# Altium PCB TEBF0808ASCII.PcbDoc (part 1 of 10) (continued)
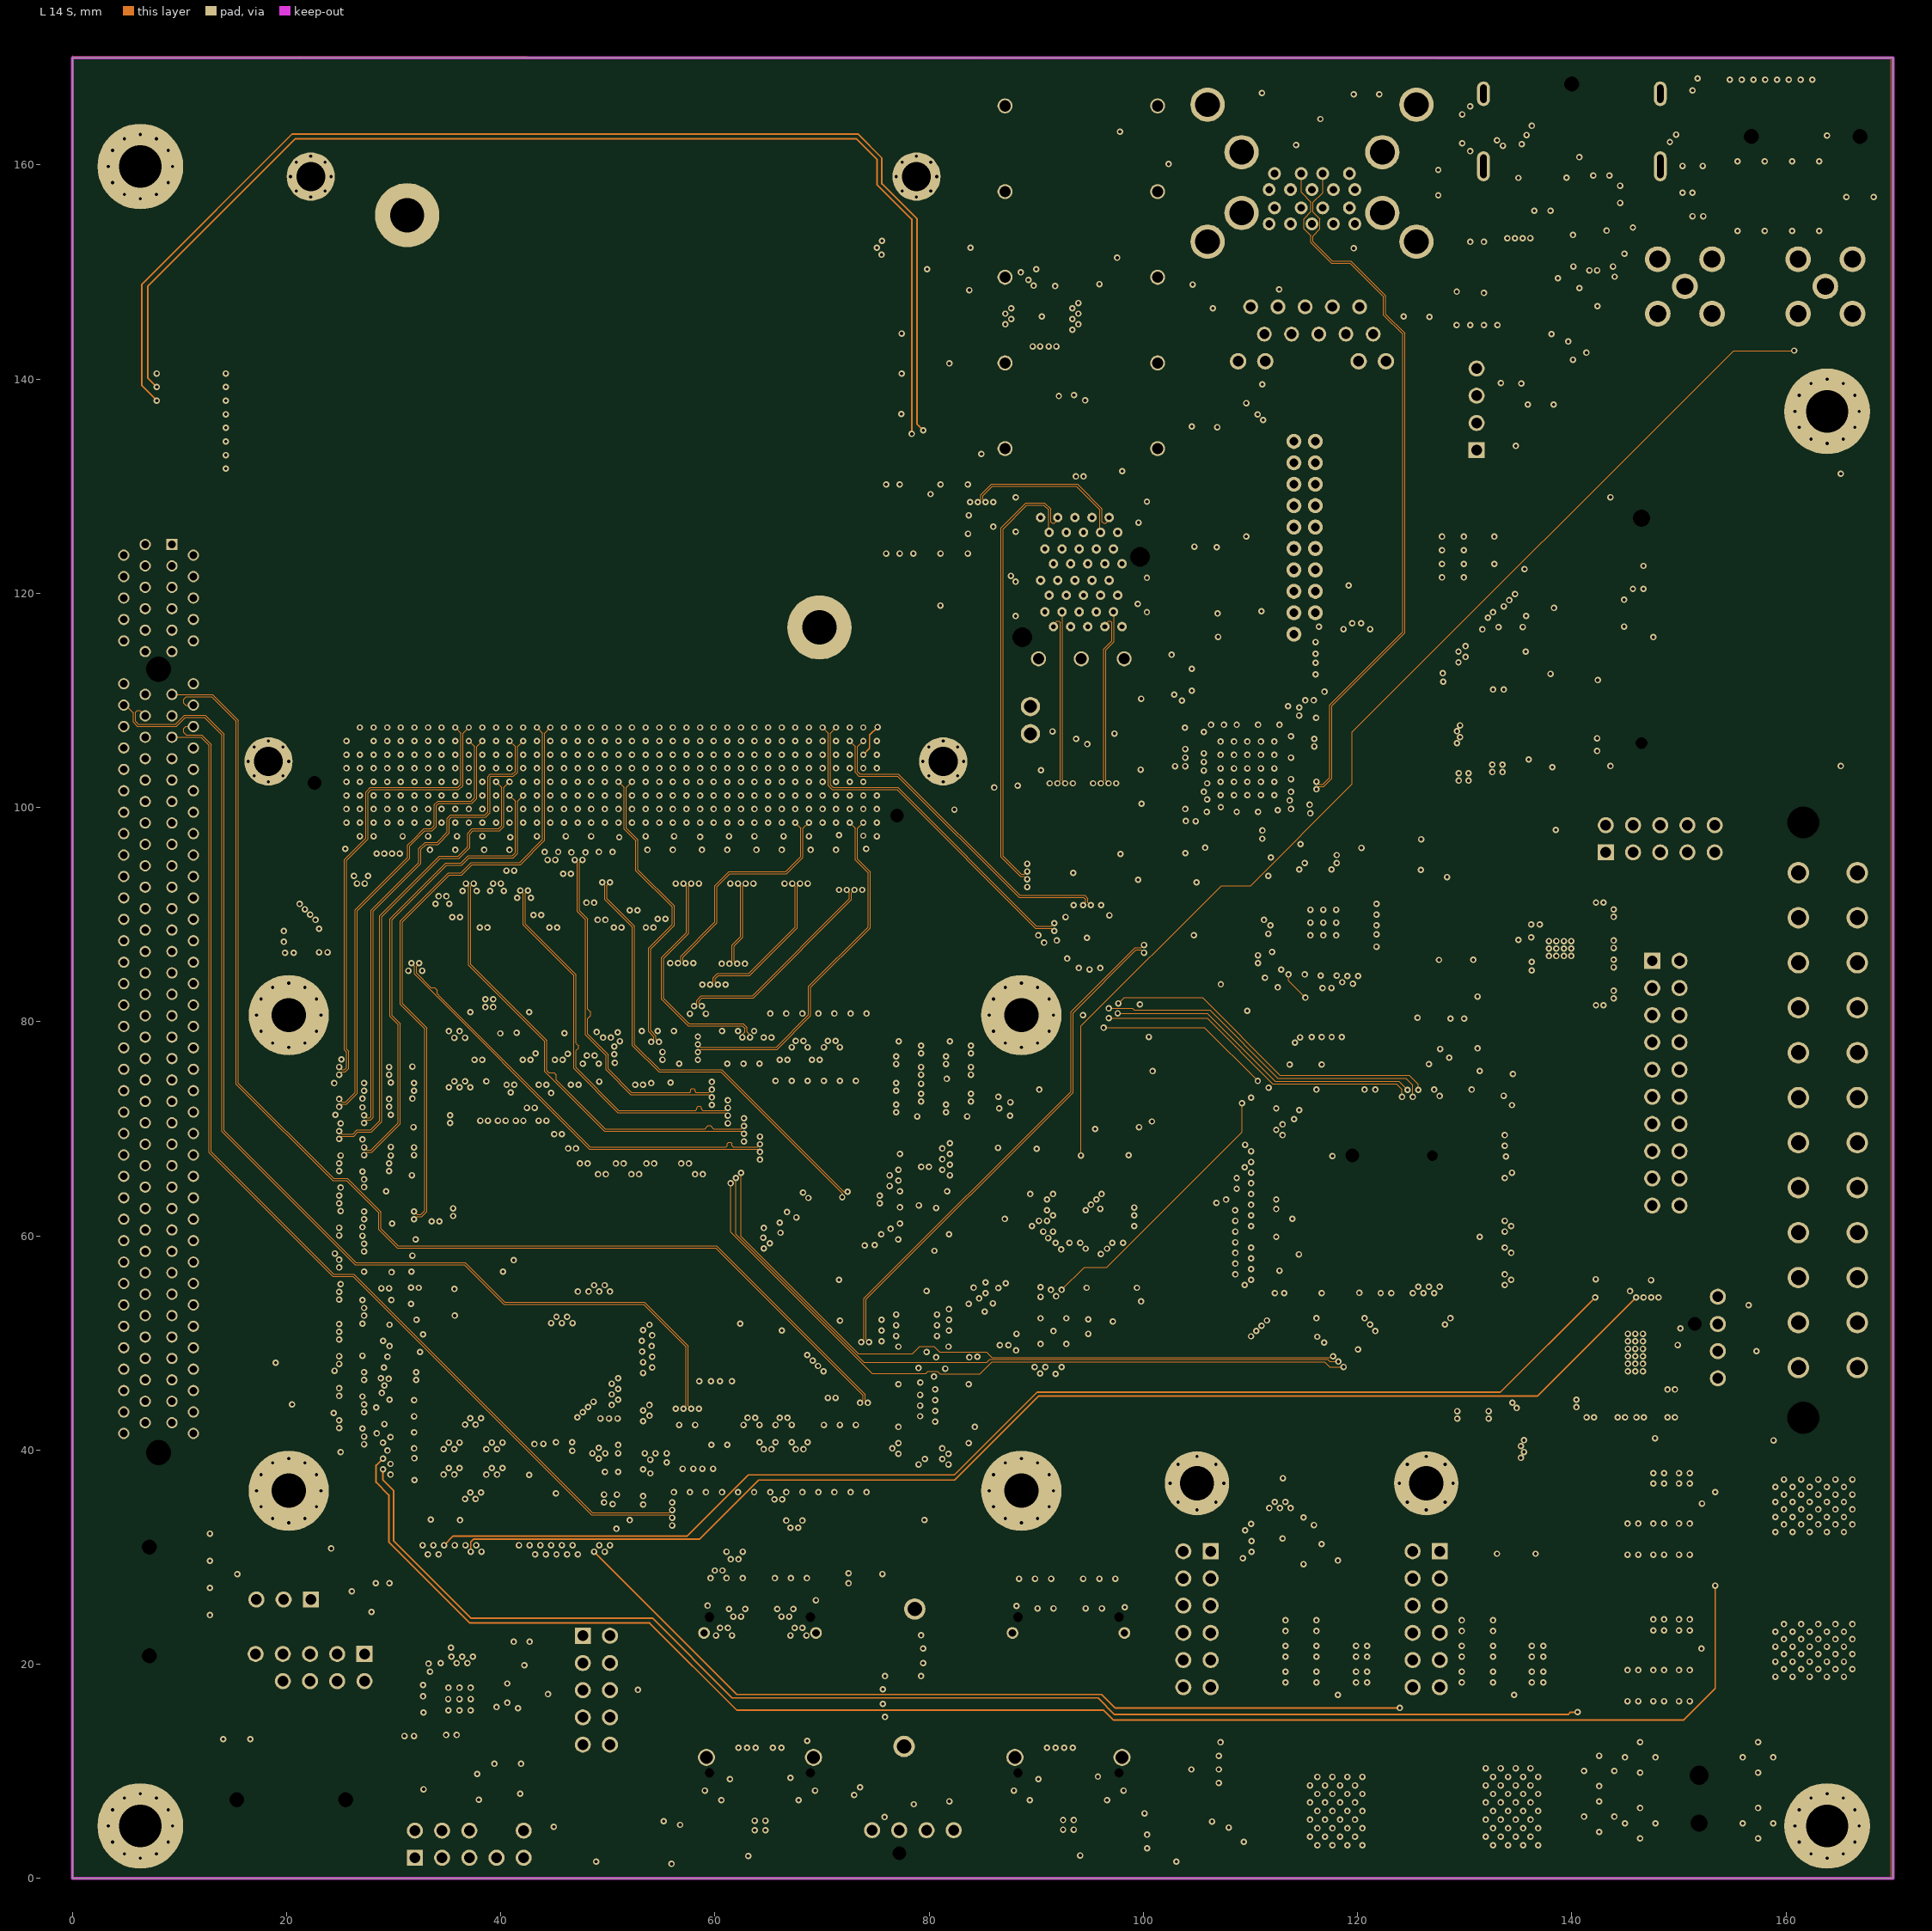
[diagram p11: L 14 S]

## Layer stack, top to bottom
Top Solder: solder mask 0.035, Solder Resist, Dk 3.5
L 01: signal copper 0.018
Dielectric1: core 0.11, 2116, Dk 4.2
L 02 G: signal copper 0.018
Dielectric 3: prepreg 0.1, Dk 4.2
L 03 S: signal copper 0.018
Dielectric 4: core 0.11, 2116, Dk 4.2
L 04 G: signal copper 0.018
Dielectric 5: prepreg 0.1, Dk 4.2
L 05 S: signal copper 0.018
Dielectric 6: core 0.11, 2116, Dk 4.2
L 06 G: signal copper 0.018
Dielectric 12: prepreg 0.1, Dk 4.2
L 07 P: signal copper 0.018
Dielectric 13: core 0.063, 1080, Dk 4.2
L 08 P: signal copper 0.018
Dielectric 14: prepreg 0.1, Dk 4.2
L 09 P: signal copper 0.018
Dielectric 15: core 0.063, 1080, Dk 4.2
L 10 P: signal copper 0.018
Dielectric 7: prepreg 0.1, Dk 4.2
L 11 G: signal copper 0.018
Dielectric 8: core 0.11, 2116, Dk 4.2
L 12 S: signal copper 0.018
Dielectric 9: prepreg 0.1, Dk 4.2
L 13 G: signal copper 0.018
Dielectric 10: core 0.11, 2116, Dk 4.2
L 14 S: signal copper 0.018
Dielectric 11: prepreg 0.1, Dk 4.2
L 15 G: signal copper 0.018
Dielectric 2: core 0.11, 2116, Dk 4.2
L 16: signal copper 0.018
Bottom Solder: solder mask 0.035, Solder Resist, Dk 3.5

## Board outline
0,0 170,0 170,170 0,170

## Design rules (kind name [scope] priority, off if disabled: settings)
AssemblyTestPointUsage [All] p0: scope1count=1 scope1_0_kind=Board scope1_0_value=Board scope2count=1 scope2_0_kind=Board scope2_0_value=Board commentlength=0
AssemblyTestpoint [All] p0: scope1count=1 scope1_0_kind=Board scope1_0_value=Board scope2count=1 scope2_0_kind=Board scope2_0_value=Board commentlength=0
BoardOutlineClearance [All] p0: scope1count=1 scope1_0_kind=Board scope1_0_value=Board scope2count=1 scope2_0_kind=Board scope2_0_value=Board commentlength=0 gap=0.5
BoardOutlineClearance [All] p1: gap=0.5 ignorepadtopadclearanceinfootprint=FALSE
Clearance Clearance_USB3 [All] p0 off: scope1count=1 scope1_0_kind=Board scope1_0_value=Board scope2count=1 scope2_0_kind=Board scope2_0_value=Board commentlength=48 gap=0.1 // Protel DXP Scope 2 Expression Was: InPolygon
Clearance Clearance_Power [All] p0 off: scope1count=1 scope1_0_kind=Board scope1_0_value=Board scope2count=1 scope2_0_kind=Board scope2_0_value=Board commentlength=119 gap=0.1 // Protel DXP Scope 1 Expression Was: OnLayer('L 07 P') or OnLayer('L 08 P') or OnLayer('L 09 P') or OnLayer('L 10 P')
Clearance Clearance_NP [All] p0 off: scope1count=1 scope1_0_kind=Board scope1_0_value=Board scope2count=1 scope2_0_kind=Board scope2_0_value=Board commentlength=80 gap=0.1 // Protel DXP Scope 1 Expression Was: ispad and (Not PadIsPlated) and IsThruPin
Clearance [All] p0: scope1count=1 scope1_0_kind=Board scope1_0_value=Board scope2count=1 scope2_0_kind=Board scope2_0_value=Board commentlength=0 gap=0.1
Clearance Clearance_HS_VIA [All] p0: scope1count=1 scope1_0_kind=NetClass scope1_0_value=HS scope2count=1 scope2_0_kind=Board scope2_0_value=Board commentlength=0 gap=0.1
Clearance Clearance_HS_PADS_1 [All] p0 off: scope1count=1 scope1_0_kind=Board scope1_0_value=Board scope2count=1 scope2_0_kind=Board scope2_0_value=Board commentlength=115 gap=0.1 // Protel DXP Scope 2 Expression Was: IsThruPin and InNetClass('HS') and (InComponent('J7') or InComponent('J11'))
Clearance Clearance_HS_PADS_2 [All] p0 off: scope1count=1 scope1_0_kind=Board scope1_0_value=Board scope2count=1 scope2_0_kind=Board scope2_0_value=Board commentlength=138 gap=0.1 // Protel DXP Scope 2 Expression Was: IsThruPin  and InNetClass('HS') and (InComponent('J8') or InComponent('J18') or InComponent('J14'))
Clearance Clearance_NP [ispad and (Not PadIsPlated) and IsThruPin] p1: gap=0.1 ignorepadtopadclearanceinfootprint=FALSE except(0: Arc-Hole Track-Hole SMDPad-Hole THPad-Hole Via-Hole Fill-Hole Poly-Hole Region-Hole Text-Hole; 0.2: SMDPad-THPad THPad-Fill THPad-Region; 0.3: Arc-THPad Track-THPad THPad-Via THPad-Poly)
Clearance Clearance_HS_PADS_1 [All vs IsThruPin and InNetClass('HS') and (InComponent('J7') or InComponent('J11'))] p2: gap=0.1 ignorepadtopadclearanceinfootprint=FALSE except(0: Arc-Hole Track-Hole SMDPad-Hole THPad-Hole Via-Hole Fill-Hole Poly-Hole Region-Hole Text-Hole; 0.2: Poly-Poly; 0.3: Via-Poly; 0.5: Track-Poly; 0.516: THPad-Poly)
Clearance Clearance_HS_PADS_2 [All vs IsThruPin  and InNetClass('HS') and (InComponent('J8') or InComponent('J18') or InComponent('J14'))] p3: gap=0.1 ignorepadtopadclearanceinfootprint=FALSE except(0: Arc-Hole Track-Hole SMDPad-Hole THPad-Hole Via-Hole Fill-Hole Poly-Hole Region-Hole Text-Hole; 0.2: Poly-Poly; 0.3: Via-Poly; 0.5: Track-Poly THPad-Poly)
Clearance Clearance_HS_VIA [InNetClass('HS')] p4: gap=0.1 ignorepadtopadclearanceinfootprint=FALSE except(0: Arc-Hole Track-Hole SMDPad-Hole THPad-Hole Via-Hole Fill-Hole Poly-Hole Region-Hole Text-Hole; 0.2: THPad-Poly Poly-Poly; 0.3: Via-Poly; 0.6: Arc-Poly Track-Poly)
Clearance Clearance_USB3 [InNetClass('USB3_1') or InNetClass('USB3_2') or InNetClass('USB3_3') or InNetClass('USB3_4') or InNetClass('USB3_PHY') or InNetClass('DisplayPortA') or InNetClass('ETH-MDI') or InNetClass('SATA') vs InPolygon] p5: gap=0.1 ignorepadtopadclearanceinfootprint=FALSE except(0: Arc-Hole Track-Hole SMDPad-Hole THPad-Hole Via-Hole Fill-Hole Poly-Hole Region-Hole Text-Hole; 0.3: Track-THPad THPad-Poly; 0.5: Arc-Poly Track-Poly)
Clearance Clearance_Power [OnLayer('L 07 P') or OnLayer('L 08 P') or OnLayer('L 09 P') or OnLayer('L 10 P')] p6: gap=0.1 ignorepadtopadclearanceinfootprint=FALSE except(0: Arc-Hole Track-Hole SMDPad-Hole THPad-Hole Via-Hole Fill-Hole Poly-Hole Region-Hole Text-Hole; 0.15: Via-Poly; 0.25: THPad-Poly; 0.3: Fill-Poly Poly-Poly; 0.5: Track-Poly)
Clearance [All] p7: gap=0.1 ignorepadtopadclearanceinfootprint=FALSE except(0: Arc-Hole Track-Hole SMDPad-Hole THPad-Hole Via-Hole Fill-Hole Poly-Hole Region-Hole Text-Hole; 0.2: Track-Poly SMDPad-Poly THPad-Poly Fill-Poly Poly-Poly Poly-Region)
ComponentClearance [All] p0 off: scope1count=1 scope1_0_kind=Board scope1_0_value=Board scope2count=1 scope2_0_kind=Board scope2_0_value=Board commentlength=0 gap=0.254 collisioncheckmode=3
ComponentClearance [All] p1 off: gap=0.254 collisioncheckmode=3 verticalgap=0.254 showdistances=FALSE
DiffPairsRouting DiffPairsRouting_USB3 [All] p0: scope1count=1 scope1_0_kind=NetClass scope1_0_value=D100_U scope2count=1 scope2_0_kind=Board scope2_0_value=Board commentlength=0
DiffPairsRouting [All] p0: scope1count=1 scope1_0_kind=Board scope1_0_value=Board scope2count=1 scope2_0_kind=Board scope2_0_value=Board commentlength=0
DiffPairsRouting DiffPairsRouting_90 [All] p0: scope1count=1 scope1_0_kind=NetClass scope1_0_value=D90 scope2count=1 scope2_0_kind=Board scope2_0_value=Board commentlength=0
DiffPairsRouting DiffPairsRouting_90 [InNetClass('D90')] p1: maxlimit=0.1 minlimit=0.1 mostfreqgap=0.1 toplayer_minwidth=0.1 toplayer_maxwidth=0.1 toplayer_prefwidth=0.1 midlayer1_minwidth=0.1 midlayer1_maxwidth=0.1 midlayer1_prefwidth=0.1 midlayer2_minwidth=0.1 midlayer2_maxwidth=0.1 midlayer2_prefwidth=0.1 midlayer3_minwidth=0.1 midlayer3_maxwidth=0.1 midlayer3_prefwidth=0.1 midlayer4_minwidth=0.1 midlayer4_maxwidth=0.1 midlayer4_prefwidth=0.1 midlayer5_minwidth=0.1 midlayer5_maxwidth=0.1 midlayer5_prefwidth=0.1 midlayer6_minwidth=0.1 midlayer6_maxwidth=0.1 midlayer6_prefwidth=0.1 midlayer7_minwidth=0.1 midlayer7_maxwidth=0.1 midlayer7_prefwidth=0.1 midlayer8_minwidth=0.1 midlayer8_maxwidth=0.1 midlayer8_prefwidth=0.1 midlayer9_minwidth=0.1 midlayer9_maxwidth=0.1 midlayer9_prefwidth=0.1 midlayer10_minwidth=0.1 midlayer10_maxwidth=0.1 midlayer10_prefwidth=0.1 midlayer11_minwidth=0.1 midlayer11_maxwidth=0.1 midlayer11_prefwidth=0.1 midlayer12_minwidth=0.1 midlayer12_maxwidth=0.1 midlayer12_prefwidth=0.1 midlayer13_minwidth=0.1 midlayer13_maxwidth=0.1 midlayer13_prefwidth=0.1 midlayer14_minwidth=0.1 midlayer14_maxwidth=0.1 midlayer14_prefwidth=0.1 bottomlayer_minwidth=0.1 bottomlayer_maxwidth=0.1 bottomlayer_prefwidth=0.1 maxuncoupledlength=12.7
DiffPairsRouting DiffPairsRouting_USB3 [InNetClass('D100_U')] p2: maxlimit=0.14 minlimit=0.14 mostfreqgap=0.14 toplayer_minwidth=0.1 toplayer_maxwidth=0.1 toplayer_prefwidth=0.1 midlayer1_minwidth=0.08 midlayer1_maxwidth=0.08 midlayer1_prefwidth=0.08 midlayer2_minwidth=0.08 midlayer2_maxwidth=0.08 midlayer2_prefwidth=0.08 midlayer3_minwidth=0.08 midlayer3_maxwidth=0.08 midlayer3_prefwidth=0.08 midlayer4_minwidth=0.08 midlayer4_maxwidth=0.08 midlayer4_prefwidth=0.08 midlayer5_minwidth=0.08 midlayer5_maxwidth=0.08 midlayer5_prefwidth=0.08 midlayer6_minwidth=0.08 midlayer6_maxwidth=0.08 midlayer6_prefwidth=0.08 midlayer7_minwidth=0.08 midlayer7_maxwidth=0.08 midlayer7_prefwidth=0.08 midlayer8_minwidth=0.08 midlayer8_maxwidth=0.08 midlayer8_prefwidth=0.08 midlayer9_minwidth=0.08 midlayer9_maxwidth=0.08 midlayer9_prefwidth=0.08 midlayer10_minwidth=0.08 midlayer10_maxwidth=0.08 midlayer10_prefwidth=0.08 midlayer11_minwidth=0.08 midlayer11_maxwidth=0.08 midlayer11_prefwidth=0.08 midlayer12_minwidth=0.08 midlayer12_maxwidth=0.08 midlayer12_prefwidth=0.08 midlayer13_minwidth=0.08 midlayer13_maxwidth=0.08 midlayer13_prefwidth=0.08 midlayer14_minwidth=0.08 midlayer14_maxwidth=0.08 midlayer14_prefwidth=0.08 bottomlayer_minwidth=0.1 bottomlayer_maxwidth=0.1 bottomlayer_prefwidth=0.1 maxuncoupledlength=12.7
DiffPairsRouting [All] p3: maxlimit=0.12 minlimit=0.12 mostfreqgap=0.12 toplayer_minwidth=0.1 toplayer_maxwidth=0.1 toplayer_prefwidth=0.1 midlayer1_minwidth=0.08 midlayer1_maxwidth=0.08 midlayer1_prefwidth=0.08 midlayer2_minwidth=0.08 midlayer2_maxwidth=0.08 midlayer2_prefwidth=0.08 midlayer3_minwidth=0.08 midlayer3_maxwidth=0.08 midlayer3_prefwidth=0.08 midlayer4_minwidth=0.08 midlayer4_maxwidth=0.08 midlayer4_prefwidth=0.08 midlayer5_minwidth=0.08 midlayer5_maxwidth=0.08 midlayer5_prefwidth=0.08 midlayer6_minwidth=0.08 midlayer6_maxwidth=0.08 midlayer6_prefwidth=0.08 midlayer7_minwidth=0.08 midlayer7_maxwidth=0.08 midlayer7_prefwidth=0.08 midlayer8_minwidth=0.08 midlayer8_maxwidth=0.08 midlayer8_prefwidth=0.08 midlayer9_minwidth=0.08 midlayer9_maxwidth=0.08 midlayer9_prefwidth=0.08 midlayer10_minwidth=0.08 midlayer10_maxwidth=0.08 midlayer10_prefwidth=0.08 midlayer11_minwidth=0.08 midlayer11_maxwidth=0.08 midlayer11_prefwidth=0.08 midlayer12_minwidth=0.08 midlayer12_maxwidth=0.08 midlayer12_prefwidth=0.08 midlayer13_minwidth=0.08 midlayer13_maxwidth=0.08 midlayer13_prefwidth=0.08 midlayer14_minwidth=0.08 midlayer14_maxwidth=0.08 midlayer14_prefwidth=0.08 bottomlayer_minwidth=0.1 bottomlayer_maxwidth=0.1 bottomlayer_prefwidth=0.1 maxuncoupledlength=12.7
FabricationTestPointUsage TestPointUsage [All] p0: scope1count=1 scope1_0_kind=Board scope1_0_value=Board scope2count=1 scope2_0_kind=Board scope2_0_value=Board commentlength=0 valid=0 allowmultiple=FALSE
FabricationTestPointUsage TestPointUsage [All] p1: valid=0 allowmultiple=FALSE
FabricationTestpoint Testpoint [All] p0: scope1count=1 scope1_0_kind=Board scope1_0_value=Board scope2count=1 scope2_0_kind=Board scope2_0_value=Board commentlength=0 side=3 testpointundercomponent=TRUE minsize=1.016 maxsize=2.54 preferedsize=1.524 minholesize=0.508 maxholesize=1.016 preferedholesize=0.813 testpointgrid=0.025
FabricationTestpoint Testpoint [All] p1: side=3 testpointundercomponent=TRUE minsize=1.016 maxsize=2.54 preferedsize=1.524 minholesize=0.508 maxholesize=1.016 preferedholesize=0.813 testpointgrid=0.025 allowsidetop=TRUE allowsidebottom=TRUE usegrid=TRUE gridtolerance=0
FanoutControl Fanout_BGA [All] p0 off: scope1count=1 scope1_0_kind=Board scope1_0_value=Board scope2count=1 scope2_0_kind=Board scope2_0_value=Board commentlength=69 // Protel DXP Scope 1 Expression Was: IsBGA   Fanout_BGA (Default Rule)
FanoutControl Fanout_LCC [All] p0 off: scope1count=1 scope1_0_kind=Board scope1_0_value=Board scope2count=1 scope2_0_kind=Board scope2_0_value=Board commentlength=69 // Protel DXP Scope 1 Expression Was: IsLCC   Fanout_LCC (Default Rule)
FanoutControl Fanout_SOIC [All] p0 off: scope1count=1 scope1_0_kind=Board scope1_0_value=Board scope2count=1 scope2_0_kind=Board scope2_0_value=Board commentlength=71 // Protel DXP Scope 1 Expression Was: IsSOIC   Fanout_SOIC (Default Rule)
FanoutControl Fanout_Small [All] p0 off: scope1count=1 scope1_0_kind=Board scope1_0_value=Board scope2count=1 scope2_0_kind=Board scope2_0_value=Board commentlength=84 // Protel DXP Scope 1 Expression Was: (CompPinCount < 5)   Fanout_Small (Default Rule)
FanoutControl Fanout_Default [All] p0: scope1count=1 scope1_0_kind=Board scope1_0_value=Board scope2count=1 scope2_0_kind=Board scope2_0_value=Board commentlength=30 // Fanout_Default (Default Rule)
Height "microATX, Page 17, \"Component Height Constraint\" for AREA A" [All] p0 off: scope1count=1 scope1_0_kind=Board scope1_0_value=Board scope2count=1 scope2_0_kind=Board scope2_0_value=Board commentlength=84 // Protel DXP Scope 1 Expression Was: OnLayer('TopLayer') And TouchesRoom('AREA A')
Height "microATX, Page 17, \"Component Height Constraint\" for AREA B" [All] p0 off: scope1count=1 scope1_0_kind=Board scope1_0_value=Board scope2count=1 scope2_0_kind=Board scope2_0_value=Board commentlength=84 // Protel DXP Scope 1 Expression Was: OnLayer('TopLayer') And TouchesRoom('AREA B')
Height "microATX, Page 17, \"Component Height Constraint\" for AREA C" [All] p0 off: scope1count=1 scope1_0_kind=Board scope1_0_value=Board scope2count=1 scope2_0_kind=Board scope2_0_value=Board commentlength=84 // Protel DXP Scope 1 Expression Was: OnLayer('TopLayer') And TouchesRoom('AREA C')
Height "microATX, Page 17, \"Component Height Constraint\" for AREA C" [OnLayer('TopLayer') And TouchesRoom('AREA C')] p1 off: minheight=0 maxheight=38.1 prefheight=38.1
Height "microATX, Page 17, \"Component Height Constraint\" for AREA B" [OnLayer('TopLayer') And TouchesRoom('AREA B')] p2 off: minheight=0 maxheight=15.24 prefheight=15.24
Height "microATX, Page 17, \"Component Height Constraint\" for AREA A" [OnLayer('TopLayer') And TouchesRoom('AREA A')] p3 off: minheight=0 maxheight=71.12 prefheight=71.12
HoleSize [All] p0: scope1count=1 scope1_0_kind=Board scope1_0_value=Board scope2count=1 scope2_0_kind=Board scope2_0_value=Board commentlength=0 absolutevalues=TRUE maxlimit=4.6 minlimit=0.2 maxpercent=80.000 minpercent=20.000
HoleSize [All] p1: absolutevalues=TRUE maxlimit=4.6 minlimit=0.2 maxpercent=80.000 minpercent=20.000
HoleToHoleClearance [All] p0: scope1count=1 scope1_0_kind=Board scope1_0_value=Board scope2count=1 scope2_0_kind=Board scope2_0_value=Board commentlength=0
HoleToHoleClearance [All] p1: gap=0.2 allowstackedmicrovias=FALSE
LayerPairs [All] p0: scope1count=1 scope1_0_kind=Board scope1_0_value=Board scope2count=1 scope2_0_kind=Board scope2_0_value=Board commentlength=0 enforce=TRUE
MatchedLengths MatchLengths_xSignals_U4_J7 [All] p0 off: scope1count=1 scope1_0_kind=Board scope1_0_value=Board scope2count=1 scope2_0_kind=Board scope2_0_value=Board commentlength=89 tolerance=0.1 amplitude=5.08 gap=0.508 style=90-Degree // Protel DXP Scope 1 Expression Was: InxSignalClass('xSignals_U4_J7_MatchLengthsClass')
MatchedLengths MatchLengths_xSignals_U4_J7 [InxSignalClass('xSignals_U4_J7_MatchLengthsClass')] p1: tolerance=0.1 checknetsindiffpair=TRUE checkdiffpairvsdiffpair=FALSE checkxsignals=FALSE checkothers=FALSE
MinimumSolderMaskSliver [All] p0: scope1count=1 scope1_0_kind=Board scope1_0_value=Board scope2count=1 scope2_0_kind=Board scope2_0_value=Board commentlength=0
NetAntennae [All] p0: scope1count=1 scope1_0_kind=Board scope1_0_value=Board scope2count=1 scope2_0_kind=Board scope2_0_value=Board commentlength=0
PasteMaskExpansion [All] p0: scope1count=1 scope1_0_kind=Board scope1_0_value=Board scope2count=1 scope2_0_kind=Board scope2_0_value=Board commentlength=0 expansion=0
PlaneClearance [All] p0: scope1count=1 scope1_0_kind=Board scope1_0_value=Board scope2count=1 scope2_0_kind=Board scope2_0_value=Board commentlength=0 clearance=0.5
PlaneClearance [All] p1: clearance=0.5
PlaneConnect [All] p0: scope1count=1 scope1_0_kind=Board scope1_0_value=Board scope2count=1 scope2_0_kind=Board scope2_0_value=Board commentlength=0 planeconnectstyle=Relief reliefexpansion=0.508 reliefentries=4 reliefconductorwidth=0.254 reliefairgap=0.254
PolygonConnect [All] p0: scope1count=1 scope1_0_kind=Board scope1_0_value=Board scope2count=1 scope2_0_kind=Board scope2_0_value=Board commentlength=0 connectstyle=Relief reliefconductorwidth=0.2 reliefentries=4 polygonreliefangle="90 Angle"
PolygonConnect PolygonConnect_via [All] p0 off: scope1count=1 scope1_0_kind=Board scope1_0_value=Board scope2count=1 scope2_0_kind=Board scope2_0_value=Board commentlength=65 connectstyle=Direct reliefconductorwidth=0.254 reliefentries=4 polygonreliefangle="90 Angle" // Protel DXP Scope 1 Expression Was: InPadClass('pad') or IsVia
PolygonConnect PolygonConnect_Therm [All] p0 off: scope1count=1 scope1_0_kind=Board scope1_0_value=Board scope2count=1 scope2_0_kind=Board scope2_0_value=Board commentlength=53 connectstyle=Direct reliefconductorwidth=0.254 reliefentries=4 polygonreliefangle="90 Angle" // Protel DXP Scope 1 Expression Was: HoleSize > 2.6
PolygonConnect PolygonConnect_Therm [HoleSize > 2.6] p1: connectstyle=Direct reliefconductorwidth=0.254 reliefentries=4 polygonreliefangle="90 Angle" airgapwidth=0.254
PolygonConnect PolygonConnect_via [InPadClass('pad') or IsVia] p2: connectstyle=Direct reliefconductorwidth=0.254 reliefentries=4 polygonreliefangle="90 Angle" airgapwidth=0.254
PolygonConnect [All] p3: connectstyle=Relief reliefconductorwidth=0.2 reliefentries=4 polygonreliefangle="90 Angle" airgapwidth=0.25
RoutingCorners [All] p0: scope1count=1 scope1_0_kind=Board scope1_0_value=Board scope2count=1 scope2_0_kind=Board scope2_0_value=Board commentlength=0 cornerstyle=45-Degree minsetback=2.54 maxsetback=2.54
RoutingLayers [All] p0: scope1count=1 scope1_0_kind=Board scope1_0_value=Board scope2count=1 scope2_0_kind=Board scope2_0_value=Board commentlength=0 top layer=Automatic mid layer 1=Automatic mid layer 2=Automatic mid layer 3=Automatic mid layer 4=Automatic mid layer 5=Automatic mid layer 6=Automatic mid layer 7=Automatic mid layer 8=Automatic mid layer 9=Automatic mid layer 10=Automatic mid layer 11=Automatic mid layer 12=Automatic mid layer 13=Automatic mid layer 14=Automatic bottom layer=Automatic
RoutingPriority [All] p0: scope1count=1 scope1_0_kind=Board scope1_0_value=Board scope2count=1 scope2_0_kind=Board scope2_0_value=Board commentlength=0
RoutingTopology [All] p0: scope1count=1 scope1_0_kind=Board scope1_0_value=Board scope2count=1 scope2_0_kind=Board scope2_0_value=Board commentlength=0 topology=Shortest
RoutingVias [All] p0: scope1count=1 scope1_0_kind=Board scope1_0_value=Board scope2count=1 scope2_0_kind=Board scope2_0_value=Board commentlength=0 holewidth=0.3 width=0.6 viastyle="Through Hole" minholewidth=0.3 minwidth=0.6 maxholewidth=0.3 maxwidth=0.6
RoutingVias [All] p1: holewidth=0.3 width=0.6 viastyle="Through Hole" minholewidth=0.3 minwidth=0.6 maxholewidth=0.3 maxwidth=0.6
ShortCircuit [All] p0: scope1count=1 scope1_0_kind=Board scope1_0_value=Board scope2count=1 scope2_0_kind=Board scope2_0_value=Board commentlength=0 allowed=FALSE
SilkToBoardRegionClearance [All] p0: scope1count=1 scope1_0_kind=Board scope1_0_value=Board scope2count=1 scope2_0_kind=Board scope2_0_value=Board commentlength=0
SilkToSilkClearance [All] p0: scope1count=1 scope1_0_kind=Board scope1_0_value=Board scope2count=1 scope2_0_kind=Board scope2_0_value=Board commentlength=0
SilkToSilkClearance [All] p1: silktosilkclearance=0.01
SilkToSolderMaskClearance SilkscreenOverComponentPads [All] p0 off: scope1count=1 scope1_0_kind=Board scope1_0_value=Board scope2count=1 scope2_0_kind=Board scope2_0_value=Board commentlength=44 // Protel DXP Scope 1 Expression Was: IsPad
SilkToSolderMaskClearance SilkscreenOverComponentPads [IsPad] p1: minsilkscreentomaskgap=0.05 clearancetoexposedcopper=TRUE
SolderMaskExpansion SolderMaskExpansion_via [All] p0 off: scope1count=1 scope1_0_kind=Board scope1_0_value=Board scope2count=1 scope2_0_kind=Board scope2_0_value=Board commentlength=44 expansion=-0.15 // Protel DXP Scope 1 Expression Was: isVia
SolderMaskExpansion [All] p0: scope1count=1 scope1_0_kind=Board scope1_0_value=Board scope2count=1 scope2_0_kind=Board scope2_0_value=Board commentlength=0 expansion=0
SolderMaskExpansion SolderMaskExpansion_via [isVia] p1: expansion=-0.15 istentingtop=FALSE
SolderMaskExpansion [All] p2: expansion=0 istentingtop=FALSE
UnRoutedNet [All] p0: scope1count=1 scope1_0_kind=Board scope1_0_value=Board scope2count=1 scope2_0_kind=Board scope2_0_value=Board commentlength=0
UnpouredPolygon [All] p0: scope1count=1 scope1_0_kind=Board scope1_0_value=Board scope2count=1 scope2_0_kind=Board scope2_0_value=Board commentlength=0